# KiCad board bells-venn-rounded.kicad_pcb (continued)
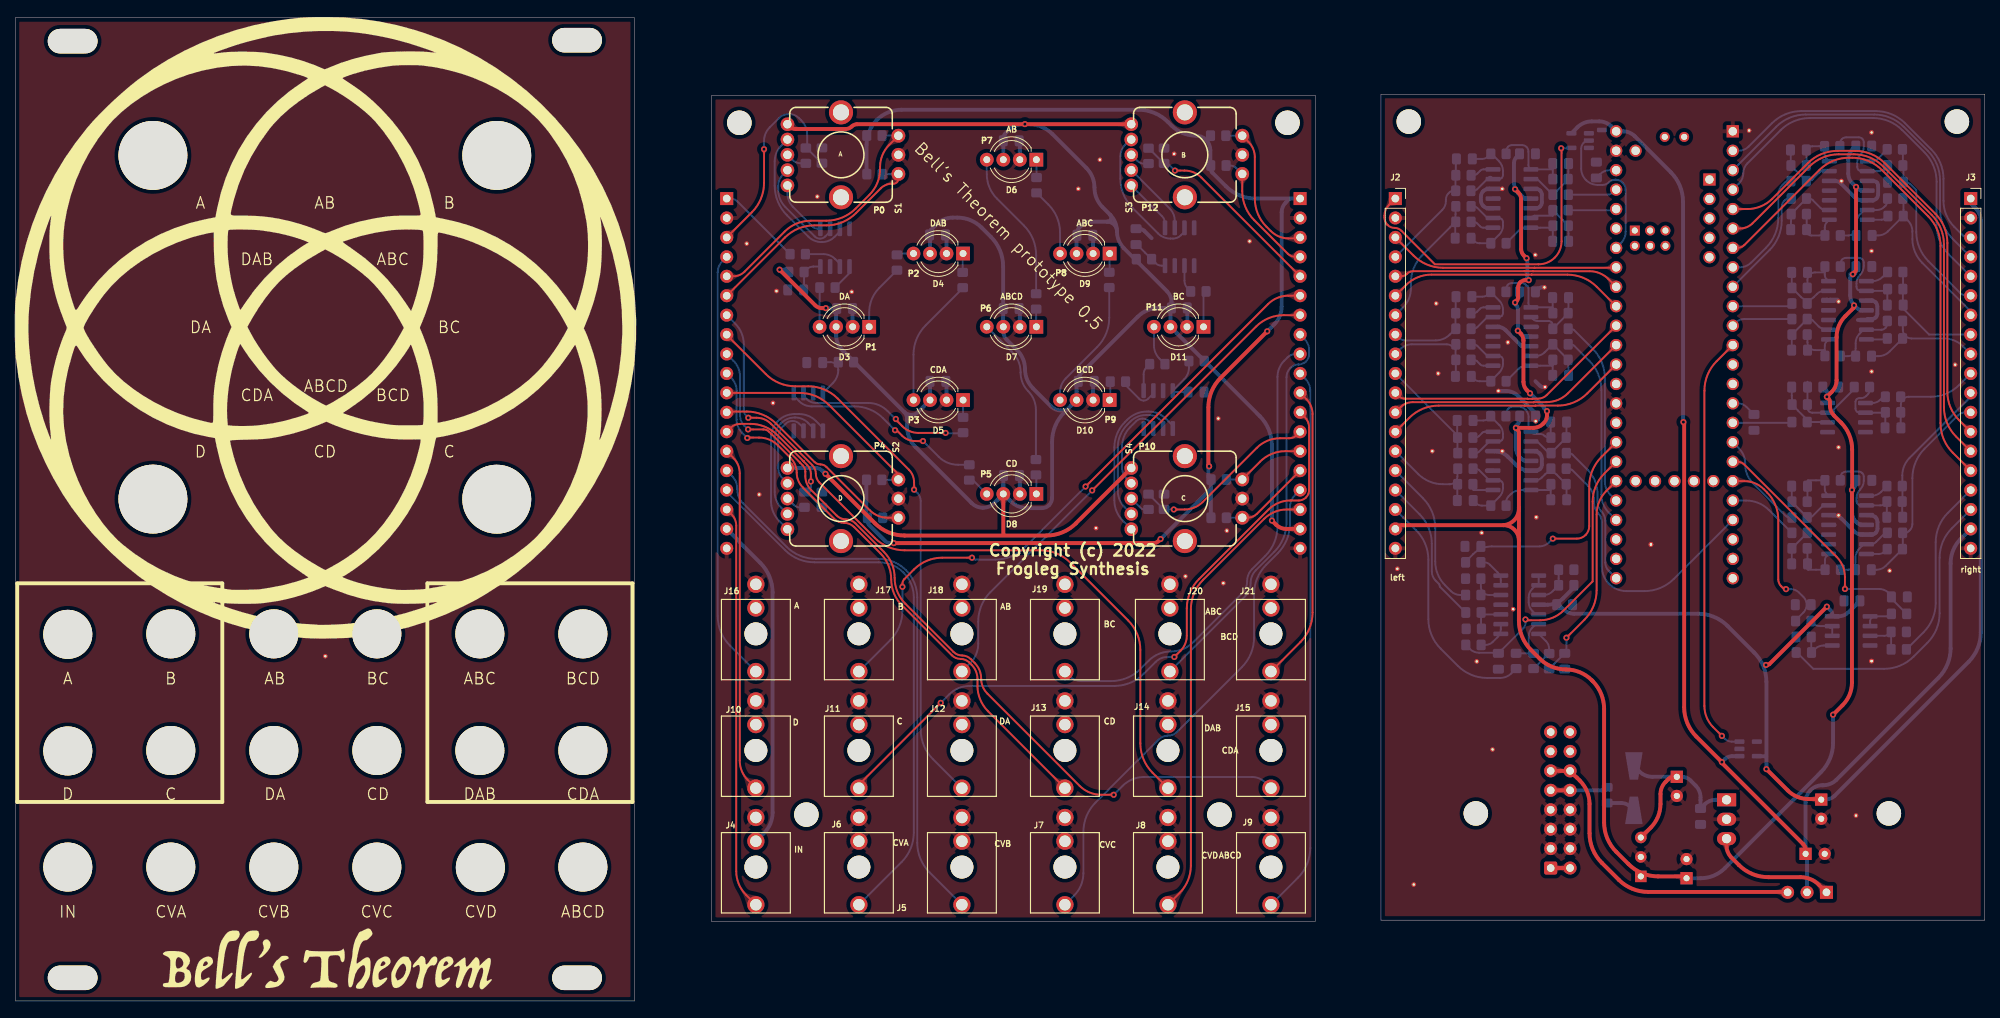
[diagram p0: board, top side]
## Copper pours and planes (outline as drawn; the poured copper is in the pictures) (continued)
Net-(R136-Pad1) on Bottom: 147.41,109.56 147.21,109.6 147.06,109.67 146.96,109.77 146.89,109.88 146.84,110.02 146.81,110.17 146.76,110.51 146.73,110.7 146.67,110.88 145.52,110.91 145.73,109.71 145.94,109.68 146.11,109.64 146.26,109.6 146.39,109.56 146.65,109.47 146.79,109.42 146.96,109.38 147.15,109.35 147.38,109.31
Net-(S1-Pad1) on Bottom: 101.17,104.72 101.11,104.93 101.09,105.1 101.11,105.25 101.15,105.38 101.22,105.51 101.3,105.63 101.4,105.75 101.5,105.88 101.6,106.03 101.7,106.2 100.9,107.04 100.1,106.2 100.2,106.01 100.29,105.85 100.37,105.71 100.53,105.47 100.61,105.35 100.69,105.21 100.77,105.05 100.85,104.86 100.94,104.64
Net-(S1-Pad2) on Bottom: 99.92,107.16 100,107.34 100.09,107.46 100.19,107.54 100.3,107.6 100.43,107.63 100.56,107.65 100.71,107.66 100.86,107.68 101.03,107.71 101.2,107.75 101.21,108.91 100.06,108.88 100,108.68 99.95,108.51 99.92,108.36 99.9,108.23 99.89,108.09 99.87,107.96 99.84,107.81 99.81,107.65 99.76,107.46 99.68,107.25
Net-(S1-Pad4) on Bottom: 99.66,110.99 99.78,111.19 99.9,111.34 100.03,111.44 100.16,111.51 100.3,111.56 100.45,111.6 100.79,111.65 100.98,111.69 101.19,111.75 101.21,112.91 100.06,112.88 99.99,112.66 99.93,112.48 99.89,112.31 99.85,112.16 99.81,112.01 99.76,111.86 99.71,111.71 99.64,111.53 99.55,111.33 99.44,111.1
Net-(S2-Pad1) on Bottom: 99.17,63.36 99.33,63.11 99.45,62.89 99.55,62.69 99.64,62.52 99.71,62.36 99.77,62.19 99.83,62.02 99.9,61.84 99.97,61.62 100.06,61.37 101.21,61.34 101.19,62.5 100.95,62.58 100.72,62.63 100.52,62.68 100.34,62.72 100.17,62.78 100,62.85 99.85,62.95 99.7,63.08 99.54,63.26 99.39,63.49
Net-(S2-Pad2) on Bottom: 99.44,65.15 99.55,64.92 99.64,64.72 99.71,64.54 99.76,64.39 99.81,64.24 99.85,64.09 99.89,63.94 99.93,63.77 99.99,63.59 100.06,63.37 101.21,63.34 101.19,64.5 100.98,64.56 100.79,64.6 100.45,64.66 100.3,64.69 100.16,64.74 100.03,64.81 99.9,64.91 99.78,65.06 99.66,65.26
Net-(S2-Pad4) on Bottom: 99.68,69 99.76,68.79 99.81,68.6 99.84,68.44 99.87,68.29 99.89,68.16 99.9,68.02 99.92,67.89 99.95,67.74 100,67.57 100.06,67.38 101.21,67.34 101.2,68.5 101.03,68.55 100.86,68.57 100.71,68.59 100.56,68.6 100.43,68.62 100.3,68.65 100.19,68.71 100.09,68.79 100,68.91 99.92,69.09
Net-(S3-Pad1) on Bottom: 147.17,105.43 147.03,105.58 146.93,105.73 146.87,105.86 146.82,105.99 146.8,106.12 146.79,106.25 146.78,106.39 146.76,106.54 146.73,106.7 146.67,106.88 145.52,106.91 145.54,105.75 145.72,105.7 145.89,105.67 146.03,105.65 146.17,105.64 146.3,105.62 146.43,105.6 146.56,105.56 146.7,105.49 146.84,105.39 146.99,105.25
Net-(S3-Pad2) on Bottom: 147.17,107.43 147.03,107.58 146.93,107.73 146.87,107.86 146.82,107.99 146.8,108.12 146.79,108.25 146.78,108.39 146.76,108.54 146.73,108.7 146.67,108.88 145.52,108.91 145.54,107.75 145.72,107.7 145.89,107.67 146.03,107.65 146.17,107.64 146.3,107.62 146.43,107.6 146.56,107.56 146.7,107.49 146.84,107.39 146.99,107.25
Net-(S3-Pad4) on Bottom: 144.68,111.15 144.77,111.33 144.87,111.46 144.98,111.55 145.1,111.61 145.23,111.64 145.37,111.66 145.69,111.67 145.86,111.69 146.04,111.73 146.17,112.88 145.01,112.93 144.93,112.73 144.87,112.55 144.82,112.4 144.78,112.26 144.71,111.98 144.66,111.83 144.61,111.67 144.54,111.47 144.45,111.25
Net-(S4-Pad1) on Bottom: 144.07,63.4 144.23,63.13 144.36,62.91 144.46,62.71 144.55,62.54 144.63,62.37 144.7,62.21 144.76,62.04 144.83,61.84 144.99,61.37 146.15,61.34 146.12,62.5 145.87,62.58 145.65,62.64 145.44,62.69 145.25,62.73 145.08,62.79 144.92,62.86 144.76,62.97 144.6,63.1 144.44,63.29 144.28,63.53
Net-(S4-Pad2) on Bottom: 144.31,65.19 144.44,64.96 144.53,64.75 144.61,64.57 144.67,64.41 144.72,64.26 144.76,64.11 144.81,63.96 144.86,63.79 144.92,63.59 144.99,63.37 146.15,63.34 146.12,64.5 145.91,64.56 145.71,64.61 145.36,64.67 145.21,64.71 145.06,64.76 144.92,64.84 144.79,64.95 144.66,65.1 144.53,65.31
Net-(S4-Pad4) on Bottom: 144.62,69 144.69,68.79 144.74,68.6 144.77,68.44 144.8,68.29 144.82,68.16 144.84,68.02 144.86,67.89 144.89,67.74 144.93,67.57 144.99,67.38 146.14,67.34 146.13,68.5 145.96,68.55 145.8,68.57 145.64,68.59 145.5,68.6 145.36,68.62 145.23,68.65 145.12,68.71 145.02,68.79 144.93,68.91 144.85,69.09
Net-(U1-Pad42) on Bottom: 210.15,99.75 210.07,99.59 209.97,99.48 209.87,99.4 209.77,99.34 209.65,99.31 209.53,99.29 209.39,99.27 209.25,99.26 209.09,99.23 208.93,99.18 208.91,98.14 209.95,98.16 210.01,98.34 210.05,98.5 210.08,98.64 210.11,98.76 210.13,98.88 210.16,99.01 210.19,99.14 210.24,99.29 210.3,99.46 210.38,99.66

Small or netless copper shapes (teardrops, artwork), in the pictures only: 54 on Top, 54 on Bottom

## Text on the board
B.Silkscreen: Options: / - use 16 pin Euro header and take 5V / from the rack. In this case omit / the RECOM, C2 is 10uF / - use 10 pin Euro Header and RECOM / regulator for 5V. In this case add / the RECOM, C2 is 1uF / Jumper J24 to select | This is pin 1 whether / using 10 pin or 16 pin header | This side for / 5V rack power | This side for / 5V from Recom | A | D | IN | DA | CDA | CVA | DAB | CD | CVB | enca_a | encd_b | encd_a | enca_b | enca_sw | encd_sw | ABC | ABCD | BCD | BC | AB | C | B | encb_sw | encb_a | encc_a | encc_sw | encc_b | encb_b | CVC | CVD | Thanks to Nyles Miszczyk for / the inspiration to make this / And Jim Matheson for much / help with Teensy Interfacing | -12V | Copyright (c) 2022 / Frogleg Synthesis | please put serial number here | Copyright (c) 2022 Frogleg Synthesis | Bell’s Theorem prototype 0.5
User.Drawings: DON'T FORGET TO REDO THE MASKS
F.Silkscreen: P1 | P0 | P4 | P2 | P3 | P6 | P5 | P7 | P8 | P9 | P10 | P12 | P11 | A | D | IN | B | C | CVA | DA | DAB | CDA | CVB | AB | CD | ABCD | CVC | BC | ABC | BCD | CVD | Copyright (c) 2022 / Frogleg Synthesis | Bell’s Theorem prototype 0.5
